# Altium PCB Napelem_inverter_0805.PcbDoc (part 1 of 2) (continued)
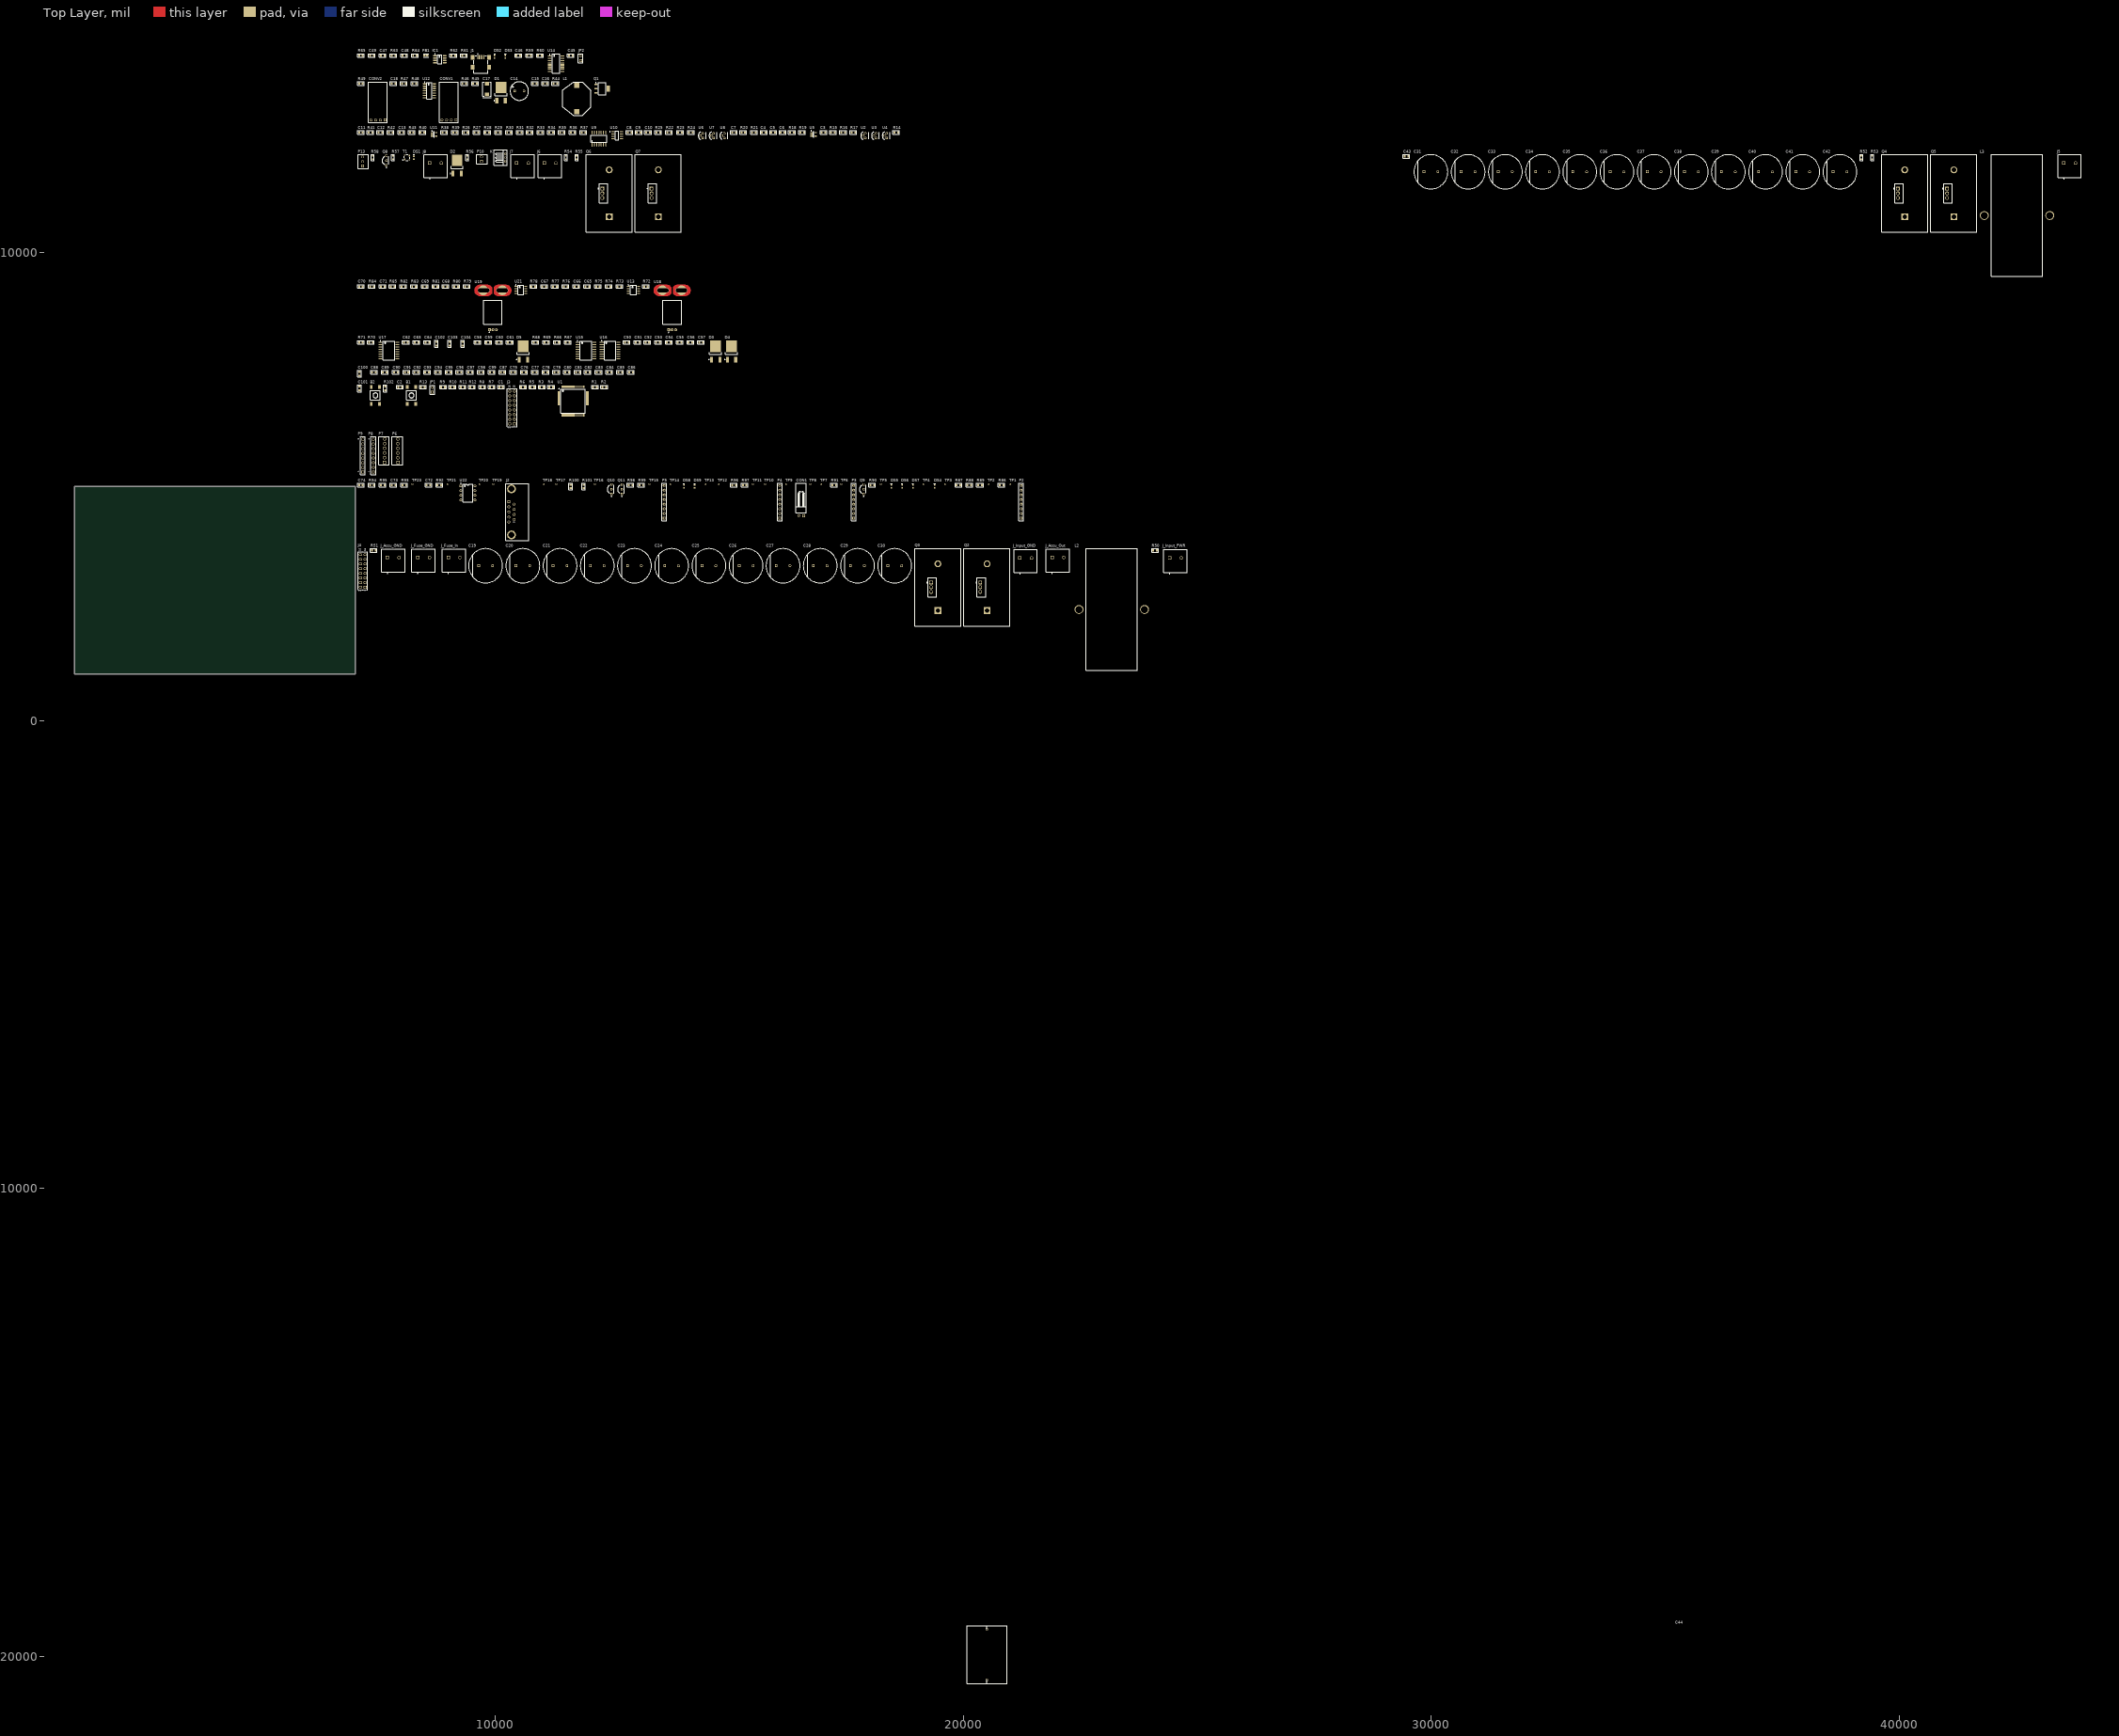
[diagram p0: Top Layer view]
## Components (designator, comment, footprint, x,y, rotation, side; value= is the part's Value field where it differs from the comment) (continued)
C96 "1uF" FP_0805_CAP_085 9230,7445 r0 top
C97 "100nF" FP_0805_CAP_085 9460,7445 r0 top
C98 "1uF" FP_0805_CAP_085 9690,7445 r0 top
C99 "100nF" FP_0805_CAP_085 9920,7445 r0 top
C100 "100nF" FP_0805_CAP_085 7095,7415 r90 top
C101 "100nF" FP_0805_CAP_085 7095,7100 r90 top
C102 "100nF" FP_0805_CAP_085 8740,8055 r90 top
C103 "100nF" FP_0805_CAP_085 9020,8055 r90 top
C104 "100nF" FP_0805_CAP_085 9300,8055 r90 top
CON1 "Connector" FP_CONN2_TAP_254MM_90 16585,4380 r90 top
CONV1 "Buck_STDN-3A" Buck_STDN-3A24-ADJ 9000,12835 r90 top
CONV2 "Buck_STDN-3A" Buck_STDN-3A24-ADJ 7485,12835 r90 top
D1 "MBRD360T4G" ONSC-DPAK-3-369C-01_V 10120,13420 r90 top
D2 "MBRD360T4G" ONSC-DPAK-3-369C-01_V 9180,11865 r90 top
D3 "MBRD360T4G" ONSC-DPAK-3-369C-01_V 14705,7890 r90 top
D4 "MBRD360T4G" ONSC-DPAK-3-369C-01_V 15045,7890 r90 top
D5 "MBRD360T4G" ONSC-DPAK-3-369C-01_V 10595,7890 r90 top
DS1 "HSMG-C190" AVAG-HSMX-C190_V 8255,12030 r90 top
DS2 "HSMG-C190" AVAG-HSMX-C190_V 9980,14185 r90 top
DS3 "RED-HSMS-C190" AVAG-HSMX-C190_V 10210,14185 r90 top
DS4 "RED-HSMS-C190" AVAG-HSMX-C190_V 19385,5005 r90 top
DS5 "HSMG-C190" AVAG-HSMX-C190_V 18460,5005 r90 top
DS6 "HSMG-C190" AVAG-HSMX-C190_V 18690,5005 r90 top
DS7 "HSMG-C190" AVAG-HSMX-C190_V 18920,5005 r90 top
DS8 "RED-HSMS-C190" AVAG-HSMX-C190_V 14025,5005 r90 top
DS9 "RED-HSMS-C190" AVAG-HSMX-C190_V 14255,5005 r90 top
FB1 "BLM18SG221TN1D" FP-BLM18-0_15-t0_5-IPC_A 8515,14215 r0 top
IC1 "USB6B1" "INF-P-DSO-8-3_M - duplicate1" 8810,14135 r0 top
J1 "USB_MIN" FCI-10033526-N3212LF_V 9685,14070 r0 top
J2 "618009231121" 618009231121 10470,4460 r90 top
J3 "61301621121" 61301621121 10355,6690 r90 top
J4 "61301621121" 61301621121 7165,3200 r90 top
J5 "1714955" Terminal-PHOE-1714955_V 43640,11915 r0 top
J6 "1714955" Terminal-PHOE-1714955_V 11165,11915 r0 top
J7 "1714955" Terminal-PHOE-1714955_V 10580,11915 r0 top
J8 "1714955" Terminal-PHOE-1714955_V 8720,11915 r0 top
J_Accu_GND "1714955" Terminal-PHOE-1714955_V 7815,3485 r0 top
J_Accu_Out "1714955" Terminal-PHOE-1714955_V 22020,3485 r0 top
J_Fuse_GND "1714955" Terminal-PHOE-1714955_V 8465,3485 r0 top
J_Fuse_In "1714955" Terminal-PHOE-1714955_V 9115,3485 r0 top
J_Input_GND "1714955" Terminal-PHOE-1714955_V 21330,3475 r0 top
J_Input_PWR "1714955" Terminal-PHOE-1714955_V 24530,3475 r0 top
JP1 "JUMPER" FP_CONN2_TUSKE_254MM 8650,7020 r0 top
JP2 "JUMPER" FP_CONN2_TUSKE_254MM 11820,14105 r0 top
K "RELAY_SRD-05VDC-SL-C" FP_CONN3_2MM_90 10210,11955 r90 top
L1 "47 uH/2.6 A" "Tekercs_B82479-A1473-M - duplicate" 11740,13295 r90 top
L2 "Coil" Tekercs_E65_FERRITE 23170,2375 r0 top value="50 uH"
L3 "Coil" Tekercs_E65_FERRITE 42515,10795 r0 top value="14.9 uF"
P2 "Header 8" HDR1X8 21235,4325 r90 top
P3 "Header 8" HDR1X8 17655,4325 r90 top
P4 "Header 8" HDR1X8 16075,4325 r90 top
P5 "Header 8" HDR1X8 13605,4325 r90 top
P6 "640456-6" TECO-640456-6_V 7915,5520 r90 top
P7 "640456-6" TECO-640456-6_V 7630,5520 r90 top
P8 "61300811121" 61300811121 7390,5660 r90 top
P9 "61300811121" 61300811121 7165,5660 r90 top
P10 "Output Connector" FP_CONN2_TAP_254MM 9700,11950 r0 top
P13 "Connector" FP_CONN3_TAP_254MM 7160,11850 r0 top
Q1 "BSP613P" INF-PG-SOT223_SC-73_M 12280,13505 r0 top
Q2 "PSMN8R5-100PS" FP-TO-220AB-MFG 20385,2850 r0 top
Q3 "PSMN8R5-100PS" FP-TO-220AB-MFG 19335,2850 r0 top
Q4 "PSMN8R5-100PS" FP-TO-220AB-MFG 39995,11270 r0 top
Q5 "PSMN8R5-100PS" FP-TO-220AB-MFG 41045,11270 r0 top
Q6 "PSMN8R5-100PS" FP-TO-220AB-MFG 12310,11270 r0 top
Q7 "PSMN8R5-100PS" FP-TO-220AB-MFG 13360,11270 r0 top
Q8 "BC548BRL1G" ONSC-TO-92-3-29-11_AM_BL 7670,11970 r90 top
Q9 "BC548B" ONSC-TO-92-3-29-11_AM_BL 17870,4945 r90 top
Q10 "BC548B" ONSC-TO-92-3-29-11_AM_BL 12480,4945 r90 top
Q11 "BC548B" ONSC-TO-92-3-29-11_AM_BL 12700,4945 r90 top
R1 "4.7K" FP_0805_RES 12125,7130 r0 top
R2 "4.7K" FP_0805_RES 12325,7130 r0 top
R3 "4.7K" FP_0805_RES 10990,7130 r0 top
R4 "4.7K" FP_0805_RES 11190,7130 r0 top
R5 "4.7K" FP_0805_RES 10790,7130 r0 top
R6 "4.7K" FP_0805_RES 10590,7130 r0 top
R7 "4.7K" FP_0805_RES 9920,7130 r0 top
R8 "1K" FP_0805_RES 9720,7130 r0 top
R9 "2.2K" FP_0805_RES 8880,7130 r0 top
R10 "4.7K" FP_0805_RES 9080,7130 r0 top
R11 "4.7K" FP_0805_RES 9300,7130 r0 top
R12 "4.7K" FP_0805_RES 9500,7130 r0 top
R13 "100" FP_0805_RES 8450,7130 r0 top
R14 "680" FP_0805_RES 18565,12570 r0 top
R15 "10K" FP_0805_RES 17210,12570 r0 top
R16 "10K" FP_0805_RES 17430,12570 r0 top
R17 "10K" FP_0805_RES 17650,12570 r0 top
R18 "10K" FP_0805_RES 16335,12570 r0 top
R19 "10K" FP_0805_RES 16555,12570 r0 top
R20 "10K" FP_0805_RES 15295,12570 r0 top
R21 "10K" FP_0805_RES 15525,12570 r0 top
R22 "10K" FP_0805_RES 13710,12570 r0 top
R23 "10K" FP_0805_RES 13945,12570 r0 top
R24 "10K" FP_0805_RES 14175,12570 r0 top
R25 "680" FP_0805_RES 13480,12570 r0 top
R26 "10K" FP_0805_RES 9365,12570 r0 top
R27 "10K" FP_0805_RES 9595,12570 r0 top
R28 "10K" FP_0805_RES 9825,12570 r0 top
R29 "10K" FP_0805_RES 10055,12570 r0 top
R30 "10K" FP_0805_RES 10290,12570 r0 top
R31 "10K" FP_0805_RES 10520,12570 r0 top
R32 "10K" FP_0805_RES 10730,12570 r0 top
R33 "10K" FP_0805_RES 10960,12570 r0 top
R34 "10K" FP_0805_RES 11190,12570 r0 top
R35 "10K" FP_0805_RES 11420,12570 r0 top
R36 "10K" FP_0805_RES 11650,12570 r0 top
R37 "10K" FP_0805_RES 11880,12570 r0 top
R38 "120K" FP_0805_RES 8905,12570 r0 top
R39 "220K" FP_0805_RES 9135,12570 r0 top
R40 "20K" FP_0805_RES 8440,12570 r0 top
R41 "10K" FP_0805_RES 7330,12570 r0 top
R42 "10K" FP_0805_RES 7760,12570 r0 top
R43 "10K" FP_0805_RES 8210,12570 r0 top
R44 "47m" FP_0805_RES 11280,13615 r0 top
R45 "400K" FP_0805_RES 9565,13615 r0 top
R46 "100K" FP_0805_RES 9335,13615 r0 top
R47 "20K" FP_0805_RES 8040,13615 r0 top
R48 "20K" FP_0805_RES 8270,13615 r0 top
R49 "680" FP_0805_RES 7125,13615 r0 top
R50 "3.3K" FP_0805_RES 24095,3640 r0 top
R51 "3.3K" FP_0805_RES 7400,3640 r0 top
R52 "3.3K" FP_0603_RES 39190,12035 r90 top
R53 "3.3K" FP_0603_RES 39420,12035 r90 top
R54 "3.3K" FP_0603_RES 11505,12035 r90 top
R55 "3.3K" FP_0603_RES 11735,12035 r90 top
R56 "1K" FP_0603_RES 9400,12035 r90 top
R57 "1K" FP_0603_RES 7810,12035 r90 top
R58 "1K" FP_0603_RES 7375,12035 r90 top
R59 "470" FP_0805_RES 10720,14215 r0 top
R60 "470" FP_0805_RES 10950,14215 r0 top
R61 "4.7K" FP_0805_RES 9330,14215 r0 top
R62 "330R" FP_0805_RES 9100,14215 r0 top
R63 "1K" FP_0805_RES 7820,14215 r0 top
R64 "10K" FP_0805_RES 8280,14215 r0 top
R65 "330R" FP_0805_RES 7125,14215 r0 top
R66 "1.8" FP_0805_RES 11315,8085 r0 top
R67 "1.8" FP_0805_RES 11545,8085 r0 top
R68 "1.8" FP_0805_RES 10855,8085 r0 top
R69 "1.8" FP_0805_RES 11085,8085 r0 top
R70 "1.8" FP_0805_RES 7340,8085 r0 top
R71 "1.8" FP_0805_RES 7125,8085 r0 top
R72 "3K" FP_0805_RES 13215,9280 r0 top
R73 "220" FP_0805_RES 12650,9280 r0 top
R74 "10K" FP_0805_RES 12420,9280 r0 top
R75 "20K" FP_0805_RES 12190,9280 r0 top
R76 "10K" FP_0805_RES 11500,9280 r0 top
R77 "400" FP_0805_RES 11270,9280 r0 top
R78 "3K" FP_0805_RES 10810,9280 r0 top
R79 "220" FP_0805_RES 9390,9280 r0 top
R80 "10K" FP_0805_RES 9160,9280 r0 top
R81 "20K" FP_0805_RES 8720,9280 r0 top
R82 "10K" FP_0805_RES 8030,9280 r0 top
R83 "22K" FP_0805_RES 8260,9280 r0 top
R84 "20K" FP_0805_RES 7360,9280 r0 top
R85 "10K" FP_0805_RES 7800,9280 r0 top
R86 "680R" FP_0805_RES 20815,5035 r0 top
R87 "680R" FP_0805_RES 19895,5035 r0 top
R88 "1K" FP_0805_RES 20125,5035 r0 top
R89 "2,2K" FP_0805_RES 20355,5035 r0 top
R90 "1K" FP_0805_RES 18050,5035 r0 top
R91 "1K" FP_0805_RES 17235,5035 r0 top
R92 "120" FP_0805_RES 8800,5035 r0 top
R93 "10K" FP_0805_RES 8050,5035 r0 top
R94 "10K" FP_0805_RES 7360,5035 r0 top
R95 "10K" FP_0805_RES 7590,5035 r0 top
R96 "680R" FP_0805_RES 15095,5035 r0 top
R97 "680R" FP_0805_RES 15325,5035 r0 top
R98 "1K" FP_0805_RES 12885,5035 r0 top
R99 "1K" FP_0805_RES 13115,5035 r0 top
R100 "1K" FP_0805_RES 11605,5005 r90 top
R101 "1K" FP_0805_RES 11885,5005 r90 top
R102 "1K" FP_0805_RES 7645,7100 r90 top
T1 "Transformator" TDK-ALT3232_V 8110,12035 r0 top
TP1 "TestPoint" Test_Point 20995,5055 r90 top
TP2 "TestPoint" Test_Point 20535,5055 r90 top
TP3 "TestPoint" Test_Point 19615,5055 r90 top
TP4 "TestPoint" Test_Point 19150,5055 r90 top
TP5 "TestPoint" Test_Point 18230,5055 r90 top
TP6 "TestPoint" Test_Point 17395,5055 r90 top
TP7 "TestPoint" Test_Point 16955,5055 r90 top
TP8 "TestPoint" Test_Point 16725,5055 r90 top
TP9 "TestPoint" Test_Point 16215,5055 r90 top
TP10 "TestPoint" Test_Point 15765,5055 r90 top
TP11 "TestPoint" Test_Point 15505,5055 r90 top
TP12 "TestPoint" Test_Point 14765,5055 r90 top
TP13 "TestPoint" Test_Point 14485,5055 r90 top
TP14 "TestPoint" Test_Point 13745,5055 r90 top
TP15 "TestPoint" Test_Point 13295,5055 r90 top
TP16 "TestPoint" Test_Point 12125,5055 r90 top
TP17 "TestPoint" Test_Point 11305,5055 r90 top
TP18 "TestPoint" Test_Point 11025,5055 r90 top
TP19 "TestPoint" Test_Point 9955,5055 r90 top
TP20 "TestPoint" Test_Point 9665,5055 r90 top
TP21 "TestPoint" Test_Point 8980,5055 r90 top
TP23 "TestPoint" Test_Point 8230,5055 r90 top
U1 "TMS320F28069PZT" PZ0100A_N 11660,6830 r0 top
U2 "MCP9700-E/TO" FP-C04-101-MFG 17890,12500 r0 top
U3 "MCP9700-E/TO" FP-C04-101-MFG 18120,12500 r0 top
U4 "MCP9700-E/TO" FP-C04-101-MFG 18350,12500 r0 top
U5 "MCP6001RT-I/OT" SOT-23-OT5_M 16795,12530 r0 top
U6 "MCP9700-E/TO" FP-C04-101-MFG 14420,12500 r0 top
U7 "MCP9700-E/TO" FP-C04-101-MFG 14650,12500 r0 top
U8 "MCP9700-E/TO" FP-C04-101-MFG 14880,12500 r0 top
U9 "LM324M" FP_SOIC14 12060,12310 r0 top
U10 "LM358DR2G" FP-751-07-IPC_C 12600,12510 r0 top
U11 "MCP6001RT-I/OT" SOT-23-OT5_M 8690,12530 r0 top
U12 "TLE6389-2G V50" INF-PG-DSO-14-1_M 8590,13460 r0 top
U13 "LM393DR2G" ONSC-SOIC-8-751-07_V 12950,9205 r0 top
U14 "FTDI" SSOP-28_N 11295,14040 r0 top
U15 "2EDS8265HXUMA2" EXAR-WSOIC-16_N 11935,7910 r0 top
U16 "2EDS8265HXUMA2" EXAR-WSOIC-16_N 12450,7910 r0 top
U17 "2EDS8265HXUMA2" EXAR-WSOIC-16_N 7725,7910 r0 top
U18 "ACS758LCB-050B-PFF-T" FP-CB-5-PFF-MFG 13775,8730 r0 top
U19 "ACS758LCB-050B-PFF-T" FP-CB-5-PFF-MFG 9945,8730 r0 top
U21 "LM393DR2G" ONSC-SOIC-8-751-07_V 10540,9205 r0 top
U22 "MCP2551-I/P" PDIP300-P8 9410,4865 r0 top

## Footprints (in the part's own frame and the unit in brackets; to place one, negate y for a bottom-side part, rotate by r counter-clockwise, add the part's x,y. Pads: shape width x height; smd on the part's side, far side on the other; paste and mask are expansions set on the pad)
61300811121 [mm] "Pin Header, pitch 2.54 mm, THT, Vertical, single row, 8p"
  rect 1.6x1.6 hole 1.1: 1(-8.89,0)
  round 1.6 hole 1.1: 2(-6.35,0) 3(-3.81,0) 4(-1.27,0) 5(1.27,0) 6(3.81,0) 7(6.35,0) 8(8.89,0)
  silkscreen extent -10.31,-1.35 10.31,1.35, body extent -10.16,-1.27 10.16,1.27, height 8.57
61301621121 [mm] "Pin Header, pitch 2.54 mm, THT, Vertical, dual row, 16p"
  rect 1.65x1.65 hole 1.1: 1(-8.89,-1.27)
  round 1.65 hole 1.1: 2(-8.89,1.27) 3(-6.35,-1.27) 4(-6.35,1.27) 5(-3.81,-1.27) 6(-3.81,1.27) 7(-1.27,-1.27) 8(-1.27,1.27) 9(1.27,-1.27) 10(1.27,1.27) 11(3.81,-1.27) 12(3.81,1.27) 13(6.35,-1.27) 14(6.35,1.27) 15(8.89,-1.27) 16(8.89,1.27)
  silkscreen extent -10.31,-2.62 10.31,2.62, body extent -10.16,-2.54 10.16,2.54, height 8.59
618009231121 [mm] "9 pins, right angled, 8.08mm, with hex screw"
  rect 1.5x1.5 hole 1: 1(5.54,4.67)
  round 1.5 hole 1: 2(2.77,4.67) 3(0,4.67) 4(-2.77,4.67) 5(-5.54,4.67) 6(4.155,1.83) 7(1.385,1.83) 8(-1.385,1.83) 9(-4.155,1.83)
  round 4.8 hole 3.2: M1(-12.5,3.25) M2(12.5,3.25)
  silkscreen extent -15.4,-6.25 15.4,6.25, body extent -15.4,-12.25 15.4,6.25, height 12.55
AVAG-HSMX-C190_V [mm] "SMD, 2-Leads, Body 1.6x0.8mm, Height 0.9mm"
  rect 0.8x0.8 smd: 1(-0.75,0) 2(0.75,0)
  silkscreen extent 1.65,-0.4 1.65,0.4, body extent -0.8,-0.4 0.8,0.4, height 0.9
Buck_STDN-3A24-ADJ [mm]
  rect 1.5x1.5 hole 1.1: 1(0,-3.937)
  round 1.5 hole 1.1: 2(0,-1.397) 3(0,1.143) 4(0,3.683)
  silkscreen extent -1.4,-5.21 20.7,4.96, body extent -1.27,-5.21 1.27,4.95, height 8.54
Capacitor_AC_68_uF [mil]
  round 55 hole 35: 1(-120503.27,-120503.27) 2(-119418.27,-120503.27)
  silkscreen extent -120581,-120933 -119341,-120073
EXAR-WSOIC-16_N [mm] "SOIC, 16-Leads, Body 10.30x7.50mm, Pitch 1.27mm, IPC Medium Density"
  oval 2.1x0.6 smd: 1(-4.575,4.445) 2(-4.575,3.175) 3(-4.575,1.905) 4(-4.575,0.635) 5(-4.575,-0.635) 6(-4.575,-1.905) 7(-4.575,-3.175) 8(-4.575,-4.445) 9(4.575,-4.445) 10(4.575,-3.175) 11(4.575,-1.905) 12(4.575,-0.635) 13(4.575,0.635) 14(4.575,1.905) 15(4.575,3.175) 16(4.575,4.445)
  silkscreen extent -4.7,-5.15 3.13,5.42, body extent -3.75,-5.15 3.75,5.15, height 2.65
FCI-10033526-N3212LF_V [mm] "SMD, 5-Leads, Body 9.2x7.7mm, Pitch 0.8mm"
  rect 0.5x2.25 smd: 1(-1.6,2.788) 2(-0.8,2.788) 3(0,2.788) 4(0.8,2.788) 5(1.6,2.788)
  rect 2x2.5 smd: 6(-4.45,2.663) 7(4.45,2.663) 8(-4.45,-2.787) 9(4.45,-2.787)
  round 0 hole 0.9 unplated: MH1(-2.2,0.083) MH2(2.2,0.083)
  silkscreen extent -3.85,-5.77 3.85,4.59, body extent -4.95,-5.77 4.95,3.63, height 4.02
FP-751-07-IPC_C [mil]
  rect 73.78x21.39 smd paste+0 mask+0: 1(-91.18,75)
  rrect100% 73.78x21.39 smd paste+0 mask+0: 2(-91.18,25) 3(-91.18,-25) 4(-91.18,-75) 5(91.18,-75) 6(91.18,-25) 7(91.18,25) 8(91.18,75)
  silkscreen extent -157,-96 35,96, body extent -132,-100 132,100, height 10
FP-BLM18-0_15-t0_5-IPC_A [mil]
  rect 51.42x41.66 smd paste+0 mask+0: 1(-30.55,0) 2(30.55,0)
  silkscreen extent -56,-37 56,37, body extent -76,-41 76,41, height 10
FP-C04-101-MFG [mm]
  round 1.45 hole 0.95 paste-1000 mask+0: 1(0.286,-1.27) 2(-0.984,0) 3(0.286,1.27)
  silkscreen extent -2.17,-2.01 2.13,2.01
FP-CB-5-PFF-MFG [mm]
  rect 1.5x1.5 hole 0.8 paste-1000 mask+0: 1(-1.91,-9.59)
  round 1.5 hole 0.8 paste-1000 mask+0: 2(0,-9.59) 3(1.91,-9.59)
  rrect100% 6.6x2.6 hole 2 slot 6 at 0 deg paste-1000 mask+0: 4(5,11.809) 5(-5,11.809)
  round 5.4 smd paste-1000 mask+0: 4(5.099,11.809) 5(-5.25,11.809)
  round 5.4 smd far side paste-1000 mask+0: 4(5.099,11.809) 5(-5.25,11.809)
  Top Layer region: 0.5,13.468 1.581,14.453 3,14.809 3,14.809 7,14.81 8.302,14.512 9.345,13.68 9.925,12.477 9.925,11.142 9.345,9.939 8.302,9.107 7,8.809 7,8.809 3,8.809 1.581,9.166 0.5,10.151 0.5,10.151
  Top Layer region: -0.5,10.151 -1.581,9.166 -3,8.81 -3,8.81 -7,8.809 -8.302,9.107 -9.345,9.939 -9.925,11.142 -9.925,12.477 -9.345,13.68 -8.302,14.512 -7,14.809 -7,14.81 -3,14.81 -1.581,14.453 -0.5,13.468 -0.5,13.468
  silkscreen extent -5.05,-11.04 5.05,6.55, body extent -10.1,-10.44 10.1,14.91, height 0.25
FP-LXW18X25-MFG [mm]
  rect 1.45x1.45 hole 0.95 paste-1000 mask+0: 1(-3.75,0)
  round 1.45 hole 0.95 paste-1000 mask+0: 2(3.75,0)
  silkscreen extent -9.25,-9.25 9.25,9.25, body extent -9.35,-9.35 9.35,9.35, height 0.25
FP-TO-220AB-MFG [mm]
  rect 2x2 hole 1.3 paste-1000 mask+0: 1(-0.647,2.55)
  rect 3.7x3.7 hole 2.45 paste-1000 mask+0: 1(3.048,-12.7)
  round 2 hole 1.3 paste-1000 mask+0: 2(-0.647,0) 3(-0.647,-2.55)
  round 3.7 hole 2.45 paste-1000 mask+0: 2(3.048,12.7)
  Top Layer region: 12.816,-13.418 12.816,-13.418 12.816,-13.418 12.816,-13.418
  Top Layer region: 12.816,-13.418 12.816,-13.418 12.816,-13.418 12.816,-13.418
  Top Layer region: 12.816,-13.418 12.816,-13.418 12.816,-13.418 12.816,-13.418
  silkscreen extent -9.45,-21 15.55,21, body extent -9.55,-21.1 15.65,21.1, height 0.25
FP_0603_RES [mm] "0603 ellenállás"
  rect 0.8x0.95 smd: 1(-0.9,0) 2(0.9,0)
  silkscreen extent -1.6,-0.77 1.6,0.77, body extent -0.8,-0.4 0.8,0.4, height 0.44
FP_0805_CAP_085 [mm] "0805 kapacitás YAGEO 0.85mm magas"
  rect 1x1.3 smd: 1(-1,0) 2(1,0)
  silkscreen extent -1.8,-0.95 1.8,0.95, body extent -1,-0.64 1.03,0.64, height 0.85
FP_0805_RES [mm] "0805 ellenállás"
  rect 1x1.3 smd: 1(-1,0) 2(1,0)
  silkscreen extent -1.8,-0.95 1.8,0.95, body extent -1,-0.62 1,0.63, height 0.62
FP_BTN_SMD [mm] "SMD Push Button 6x6mm"
  rect 1.4x2.1 smd: 1(2.25,4.55) 2(2.25,-4.55) 3(-2.25,4.55) 4(-2.25,-4.55)
  silkscreen extent -2.67,-2.54 2.67,2.54, body extent -3,-5 3,5, height 5.1
FP_CONN2_TAP_254MM [mm] "álló két pólusú tápcsatlakozó 2.54mm"
  rect 1.5x1.5 hole 1.1: 1(0,0)
  round 1.5 hole 1.1: 2(0,2.54)
  silkscreen extent -2.54,-1.27 3.17,3.81, body extent -2.52,-1.27 3.28,3.81, height 11.56
FP_CONN2_TAP_254MM_90 [mm] "fekvõ két pólusú tápcsatlakozó 2.54mm"
  rect 1.5x1.5 hole 1.1: 1(0,0)
  round 1.5 hole 1.1: 2(0,2.54)
  silkscreen extent 1.7,-1.53 17.7,4.07, body extent -0.33,-1.3 13.5,3.78, height 5.8
FP_CONN2_TUSKE_254MM [mm] "2×1 tüskesor"
  rect 1.5x1.5 hole 1.1: 1(0,0)
  round 1.5 hole 1.1: 2(0,2.54)
  silkscreen extent -1.27,-1.27 1.27,3.81, body extent -1.27,-1.27 1.27,3.81, height 8.54
FP_CONN3_2MM_90 [mm] "fekvõ 3 pólusú csatlakozó 2mm"
  rect 1.2x1.2 hole 0.8: 1(0,0)
  round 1.2 hole 0.8: 2(2,0) 3(4,0)
  silkscreen extent -2.1,-1 6.1,6.2, body extent -2,0.2 6,6.1, height 5
FP_CONN3_TAP_254MM [mm] "álló három pólusú tápcsatlakozó 2.54mm"
  rect 1.5x1.5 hole 1.1: 1(0,0)
  round 1.5 hole 1.1: 2(0,2.54) 3(0,5.08)
  silkscreen extent -2.54,-1.27 3.3,6.35, body extent -2.52,-1.27 3.28,6.35, height 11.56
FP_SOIC14 [mil] "SOIC-14 egyesek szerint narrow, RET szerint normál"
  rect 20x80 smd: 1(0,0)
  oval 20x80 smd: 2(50,0) 3(100,0) 4(150,0) 5(200,0) 6(250,0) 7(300,0) 8(300,260) 9(250,260) 10(200,260) 11(150,260) 12(100,260) 13(50,260) 14(0,260)
  silkscreen extent -20,55 325,205, body extent -22,10 322,248, height 63
HDR1X8 [mm] "Connector; Header; 8 Position"
  rect 1.5x1.5 hole 0.9: 1(0,0)
  round 1.5 hole 0.9: 2(2.54,0) 3(5.08,0) 4(7.62,0) 5(10.16,0) 6(12.7,0) 7(15.24,0) 8(17.78,0)
  silkscreen extent -1.27,-1.27 19.05,1.27
"INF-P-DSO-8-3_M - duplicate1" [mm] "SOP, 8-Leads, Body 4.9x3.9mm, Pitch 1.27mm, IPC Low Density"
  oval 2.1x0.7 smd: 1(-2.65,1.905) 2(-2.65,0.635) 3(-2.65,-0.635) 4(-2.65,-1.905) 5(2.65,-1.905) 6(2.65,-0.635) 7(2.65,0.635) 8(2.65,1.905)
  silkscreen extent -2.77,-2.5 1.2,2.93, body extent -2,-2.5 2,2.5, height 1.75
INF-PG-DSO-14-1_M [mm] "SOP, 14-Leads, Body 8.65x3.9mm, Pitch 1.27mm, IPC Low Density"
  oval 1.85x0.7 smd: 1(-2.7,3.81) 2(-2.7,2.54) 3(-2.7,1.27) 4(-2.7,0) 5(-2.7,-1.27) 6(-2.7,-2.54) 7(-2.7,-3.81) 8(2.7,-3.81) 9(2.7,-2.54) 10(2.7,-1.27) 11(2.7,0) 12(2.7,1.27) 13(2.7,2.54) 14(2.7,3.81)
  silkscreen extent -2.82,-4.38 1.38,4.83, body extent -2,-4.38 2,4.38, height 1.75
INF-PG-SOT223_SC-73_M [mm] "SOT223, 4-Leads, Body 6.5x3.5mm, Pitch 2.3mm, IPC Low Density"
  rect 1.9x0.9 smd: 1(-3.35,2.3) 2(-3.35,0) 3(-3.35,-2.3)
  rect 1.9x3.2 smd: 4(3.35,0)
  silkscreen extent -3.47,-3.35 2.1,3.42, body extent -1.85,-3.35 1.85,3.35, height 1.8
KEMT-7343-43_L [mm] "Molded Capacitor, 2-Leads, Body 7.6x4.6mm, IPC High Density"
  rect 2.2x2.35 smd: 1(-2.925,0) 2(2.925,0)
  silkscreen extent -4.52,-2.3 3.8,2.3, body extent -3.8,-2.3 3.8,2.3, height 4.3
NIC-UVR-10x12.5-2_V [mm] "TH, 2-Leads, Dia 10mm, Body Length 14mm, Pitch 5mm"
  rect 1.35x1.35 hole 0.85: 1(-2.5,0)
  round 1.35 hole 0.85: 2(2.5,0)
  silkscreen extent -5,-5 5,5, body extent -5,-5 5,5, height 14
ONSC-DPAK-3-369C-01_V [mm] "DPAK, 3-Leads, Body 6.54x6.095mm, Pitch 2.29mm"
  rect 3x1.6 smd: 1(-4.4,2.29) 3(-4.4,-2.29)
  rect 6.2x5.8 smd: 4(2.8,0)
  silkscreen extent -4.52,-3.27 -0.45,3.76, body extent -1.6,-3.27 4.49,3.27, height 2.38
ONSC-SOIC-8-751-07_V [mm] "SOIC, 8-Leads, Body 4.9x3.9mm, Pitch 1.27mm"
  rect 1.52x0.6 smd: 1(-2.74,1.905) 2(-2.74,0.635) 3(-2.74,-0.635) 4(-2.74,-1.905) 5(2.74,-1.905) 6(2.74,-0.635) 7(2.74,0.635) 8(2.74,1.905)
  silkscreen extent -2.86,-2.45 1.58,2.88, body extent -1.95,-2.45 1.95,2.45, height 1.75
ONSC-TO-92-3-29-11_AM_BL [mm] "TO, 3-Leads, Body Dia 4.7mm, Pitch 2.6mm"
  rect 1.4x1.4 hole 0.9: 1(-2.6,0)
  round 1.4 hole 0.9: 2(0,0) 3(2.6,0)
  silkscreen extent -3.97,-1.34 2.13,2.35, body extent -2.84,-1.34 2.84,2.35, height 5.33
PDIP300-P8 [mm] "8-Pin Plastic Dual In-Line Package (PDIP)"
  rect 1.5x1.5 hole 0.9: 1(-3.81,3.81)
  round 1.5 hole 0.9: 2(-3.81,1.27) 3(-3.81,-1.27) 4(-3.81,-3.81) 5(3.81,-3.81) 6(3.81,-1.27) 7(3.81,1.27) 8(3.81,3.81)
  silkscreen extent -3.93,-4.9 2.65,5.23, body extent -3.55,-4.9 3.55,4.9, height 4.32
PZ0100A_N [mm] "QFP,100-Leads, Body 14x14mm, Pitch 0.5mm, IPC Medium Density"
  rrect33% 1.45x0.3 smd: 1(-7.725,6) 2(-7.725,5.5) 3(-7.725,5) 4(-7.725,4.5) 5(-7.725,4) 6(-7.725,3.5) 7(-7.725,3) 8(-7.725,2.5) 9(-7.725,2) 10(-7.725,1.5) 11(-7.725,1) 12(-7.725,0.5) 13(-7.725,0) 14(-7.725,-0.5) 15(-7.725,-1) 16(-7.725,-1.5) 17(-7.725,-2) 18(-7.725,-2.5) 19(-7.725,-3) 20(-7.725,-3.5) 21(-7.725,-4) 22(-7.725,-4.5) 23(-7.725,-5) 24(-7.725,-5.5) 25(-7.725,-6) 51(7.725,-6) 52(7.725,-5.5) 53(7.725,-5) 54(7.725,-4.5) 55(7.725,-4) 56(7.725,-3.5) 57(7.725,-3) 58(7.725,-2.5) 59(7.725,-2) 60(7.725,-1.5) 61(7.725,-1) 62(7.725,-0.5) 63(7.725,0) 64(7.725,0.5) 65(7.725,1) 66(7.725,1.5) 67(7.725,2) 68(7.725,2.5) 69(7.725,3) 70(7.725,3.5) 71(7.725,4) 72(7.725,4.5) 73(7.725,5) 74(7.725,5.5) 75(7.725,6)
  rrect33% 0.3x1.45 smd: 26(-6,-7.725) 27(-5.5,-7.725) 28(-5,-7.725) 29(-4.5,-7.725) 30(-4,-7.725) 31(-3.5,-7.725) 32(-3,-7.725) 33(-2.5,-7.725) 34(-2,-7.725) 35(-1.5,-7.725) 36(-1,-7.725) 37(-0.5,-7.725) 38(0,-7.725) 39(0.5,-7.725) 40(1,-7.725) 41(1.5,-7.725) 42(2,-7.725) 43(2.5,-7.725) 44(3,-7.725) 45(3.5,-7.725) 46(4,-7.725) 47(4.5,-7.725) 48(5,-7.725) 49(5.5,-7.725) 50(6,-7.725) 76(6,7.725) 77(5.5,7.725) 78(5,7.725) 79(4.5,7.725) 80(4,7.725) 81(3.5,7.725) 82(3,7.725) 83(2.5,7.725) 84(2,7.725) 85(1.5,7.725) 86(1,7.725) 87(0.5,7.725) 88(0,7.725) 89(-0.5,7.725) 90(-1,7.725) 91(-1.5,7.725) 92(-2,7.725) 93(-2.5,7.725) 94(-3,7.725) 95(-3.5,7.725) 96(-4,7.725) 97(-4.5,7.725) 98(-5,7.725) 99(-5.5,7.725) 100(-6,7.725)
  silkscreen extent -7.85,-6.6 6.6,6.82, body extent -8,-8 8,8, height 1.6
SOT-23-OT5_M [mm] "SOT23, 5-Leads, Body 2.9x1.7mm, Pitch 0.95mm, Lead Span 2.8mm, IPC Low Density"
  rect 1.3x0.7 smd: 1(-1.2,0.95) 2(-1.2,0) 3(-1.2,-0.95) 4(1.2,-0.95) 5(1.2,0.95)
  silkscreen extent -1.32,-1.55 0.15,1.97, body extent -0.9,-1.55 0.9,1.55, height 1.45
SSOP-28_N [mm] "SOP, 28-Leads, Body 10.2x5.3mm, Pitch 0.65mm, IPC Medium Density"
  oval 2.1x0.35 smd: 1(-3.45,4.225) 2(-3.45,3.575) 3(-3.45,2.925) 4(-3.45,2.275) 5(-3.45,1.625) 6(-3.45,0.975) 7(-3.45,0.325) 8(-3.45,-0.325) 9(-3.45,-0.975) 10(-3.45,-1.625) 11(-3.45,-2.275) 12(-3.45,-2.925) 13(-3.45,-3.575) 14(-3.45,-4.225) 15(3.45,-4.225) 16(3.45,-3.575) 17(3.45,-2.925) 18(3.45,-2.275) 19(3.45,-1.625) 20(3.45,-0.975) 21(3.45,-0.325) 22(3.45,0.325) 23(3.45,0.975) 24(3.45,1.625) 25(3.45,2.275) 26(3.45,2.925) 27(3.45,3.575) 28(3.45,4.225)
  silkscreen extent -3.57,-5.25 2,5.25, body extent -2.8,-5.25 2.8,5.25, height 2
TDK-ALT3232_V [mm] "SMD, 6-Leads, Body 3.2x3.2mm"
  rect 0.85x0.41 smd: 1(-1.325,-1.35) 2(-1.325,-0.7) 3(-1.325,1.35) 4(1.325,1.35) 5(1.325,0.7) 6(1.325,-1.35)
  silkscreen extent -2.42,-1.6 1.6,1.6, body extent -1.6,-1.6 1.6,1.6, height 2.9
TECO-640456-6_V [mm] "THD, 6-Leads, Body 15.24x5.72mm, Pitch 2.54mm"
  rect 1.8x1.8 hole 1.3: 1(0,0)
  round 1.8 hole 1.3: 2(2.54,0) 3(5.08,0) 4(7.62,0) 5(10.16,0) 6(12.7,0)
  silkscreen extent -1.27,-2.54 13.97,3.18, body extent -1.27,-2.54 13.97,3.18, height 10.03
"Tekercs_B82479-A1473-M - duplicate" [mm]
  rect 2.92x2.85 smd: 1(-7.19,0) 2(7.19,0)
  silkscreen extent -9.18,-7.62 9.05,7.62
Tekercs_E65_FERRITE [mil]
  round 190 hole 150: 1(-700,0) 2(700,0)
  silkscreen extent -550,-1300 550,1300
Terminal-PHOE-1714955_V [mm] "Terminal Block, 2-Leads, Body 12.7x12.5mm, Pitch 6.35mm"
  rect 1.8x1.8 hole 1.3: 1(-3.175,0)
  round 1.8 hole 1.3: 2(3.175,0)
  silkscreen extent -6.35,-8.67 6.35,4.6, body extent -6.92,-7.9 6.35,4.6, height 21.51
Test_Point [mil]
  rrect50% 40x40 hole 30: 7(0,0)